# KiCad board Monorail_Diesel_Reduced.kicad_pcb (continued)
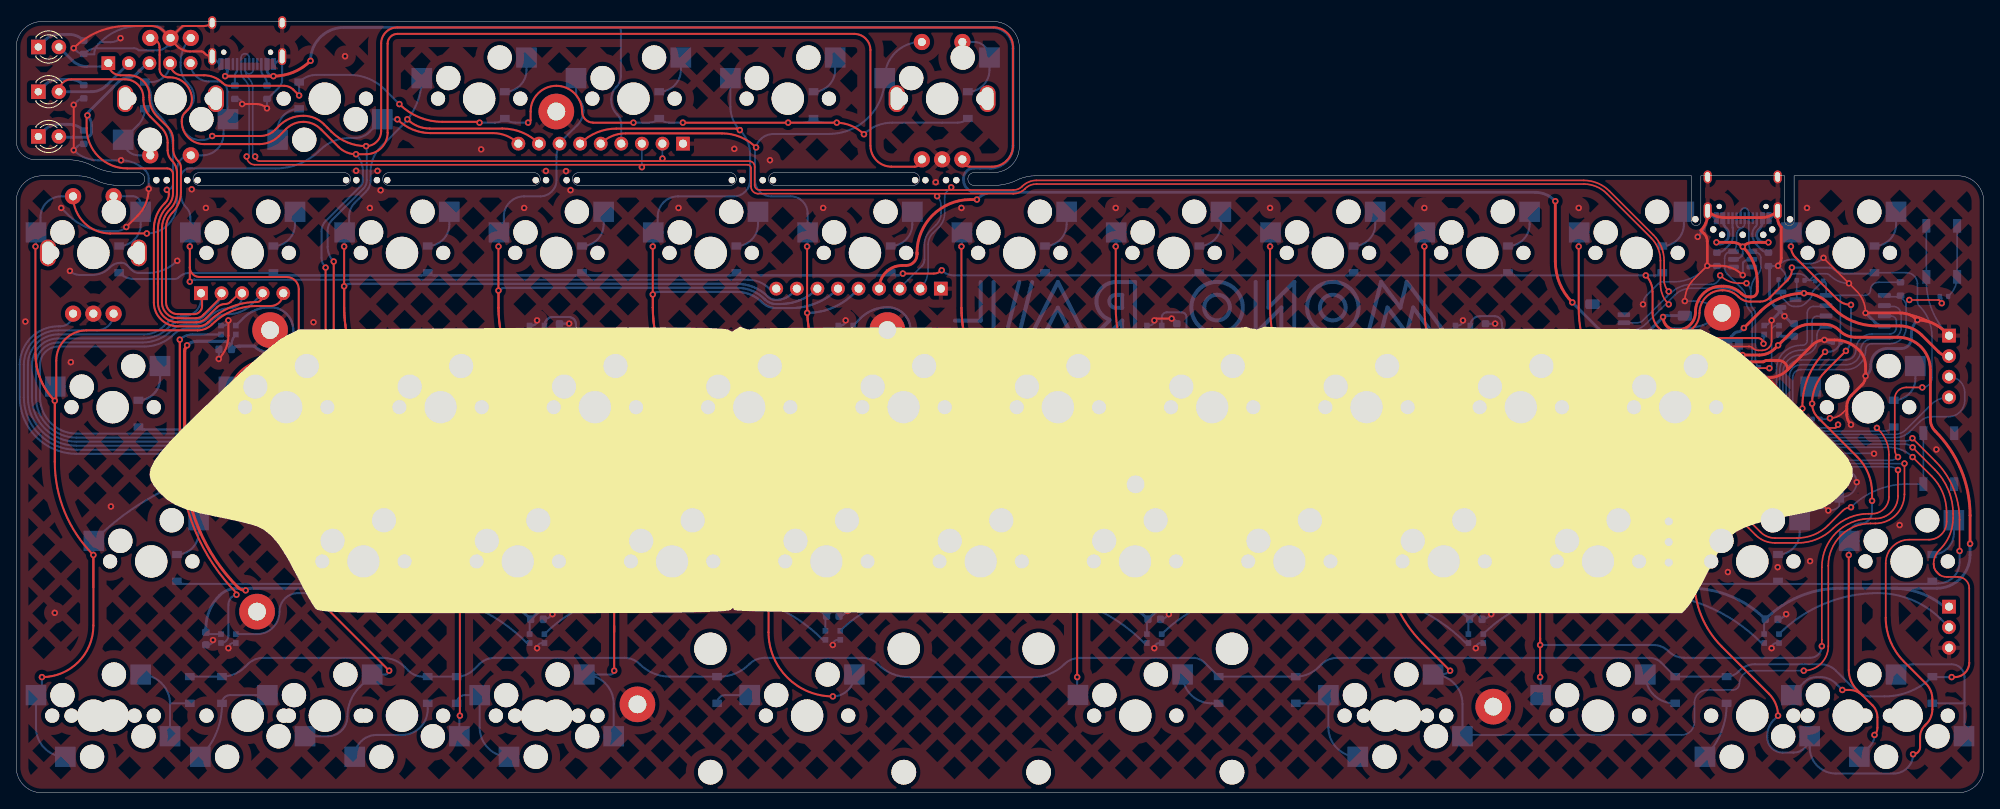
[diagram p0: board, top side]
## Routing (per net, layer and track width the routed paths; a pad name or vN(x,y) marks a point on that pad's centre or on a via; arc(x,y) is an arc through that point) (continued)
ROW1: length 391.7
  Top w0.2: v1(229.69,45.06) 229.89,44.86 arc(230.85,43.44) 231.18,41.76 231.18,36.55 arc(230.57,35.07) 229.09,34.46 228.64,34.46 arc(226.29,33.99) 224.29,32.66 arc(222.3,31.33) 219.95,30.86 217.09,30.86 arc(215.8,31.12) 214.7,31.85 213.89,32.66 arc(212.56,33.55) 211,33.86 209.51,33.86 arc(208.2,34.12) 207.09,34.86 202.44,39.52 arc(200.56,42.34) v1(199.89,45.66)
  Bottom w0.2: 192.09,46.66 194.39,48.96 arc(194.45,49.05) D28.1 ; 192.09,46.66 197.48,46.66 arc(198.79,46.4) v1(199.89,45.66) ; 192.09,46.66 191.29,45.86 ; U4.3 222.89,44.66 ; 222.89,44.66 230.52,44.66 arc(231.2,44.8) D39.1 ; 222.89,44.66 223.21,44.66
  Bottom w0.25: D35.1 arc(131.39,44.93) 130.96,44.85 113.52,44.85 arc(113.08,44.93) D34.1 arc(112.36,44.95) 111.94,44.86 94.43,44.86 arc(94.02,44.95) D33.1 arc(93.31,44.95) 92.89,44.86 75.38,44.86 arc(74.97,44.95) D32.1 arc(74.26,44.95) 73.84,44.86 56.33,44.86 arc(55.92,44.95) D31.1 arc(55.21,44.95) 54.79,44.86 37.28,44.86 arc(36.87,44.95) D30.1 arc(36.16,44.95) 35.74,44.86 15.85,44.86 arc(15.43,44.95) D29.1 ; 131.78,45.18 arc(131.41,44.93) 130.97,44.85 ; 132.12,44.86 arc(132.38,44.91) 132.6,45.06 arc(134.93,46.62) 137.67,47.16 ; 191.29,45.86 arc(190.54,45.36) 189.65,45.18 D38.1 arc(188.54,44.93) 188.11,44.85 170.67,44.85 arc(170.23,44.93) D37.1 arc(169.49,44.93) 169.06,44.85 151.62,44.85 arc(151.18,44.93) D36.1 arc(150.46,44.95) 150.04,44.86 144.48,44.86 arc(144.22,44.91) 143.99,45.06 arc(141.67,46.62) 138.92,47.16 137.66,47.16 arc(134.92,46.62) 132.59,45.06 arc(132.37,44.91) 132.11,44.86 ; 15.09,45.18 arc(15.44,44.95) 15.86,44.86 35.75,44.86 arc(36.17,44.95) 36.52,45.18 arc(36.88,44.95) 37.29,44.86 54.8,44.86 arc(55.22,44.95) 55.57,45.18 arc(55.93,44.95) 56.34,44.86 73.85,44.86 arc(74.27,44.95) 74.62,45.18 arc(74.98,44.95) 75.39,44.86 92.9,44.86 arc(93.32,44.95) 93.67,45.18 arc(94.03,44.95) 94.44,44.86 111.95,44.86 arc(112.37,44.95) 112.72,45.18 arc(113.09,44.93) 113.53,44.85 130.97,44.85 arc(131.4,44.93) 131.77,45.18 ; 132.13,44.86 arc(132.39,44.91) 132.61,45.06 arc(134.94,46.62) 137.68,47.16 138.94,47.16 arc(141.68,46.62) 144.01,45.06 arc(144.23,44.91) 144.49,44.86
ROW2: length 255
  Top w0.2: v1(239.89,29.86) 239.89,33.74 arc(239.12,37.65) 236.9,40.96 v1(234.08,43.79)
  Bottom w0.2: U4.6 233.3,43.46 arc(233.72,43.55) v1(234.08,43.79)
  Bottom w0.25: v1(239.89,29.86) 239.89,28.46 arc(239.13,26.62) 237.29,25.86 236.81,25.86 arc(236.62,25.94) D51.1 arc(236.17,25.88) 235.73,25.8 218.29,25.8 arc(217.86,25.88) D50.1 arc(217.12,25.88) 216.68,25.8 199.24,25.8 arc(198.81,25.88) D49.1 arc(198.07,25.88) 197.63,25.8 180.19,25.8 arc(179.76,25.88) D48.1 arc(179.02,25.88) 178.58,25.8 161.14,25.8 arc(160.71,25.88) D47.1 arc(159.97,25.88) 159.53,25.8 142.09,25.8 arc(141.66,25.88) D46.1 arc(140.92,25.88) 140.48,25.8 123.04,25.8 arc(122.61,25.88) D45.1 arc(121.87,25.88) 121.43,25.8 103.99,25.8 arc(103.56,25.88) D44.1 arc(102.82,25.88) 102.38,25.8 84.94,25.8 arc(84.51,25.88) D43.1 arc(83.77,25.88) 83.33,25.8 65.89,25.8 arc(65.46,25.88) D42.1 arc(64.72,25.88) 64.28,25.8 46.84,25.8 arc(46.41,25.88) D41.1 arc(45.67,25.88) 45.23,25.8 20.65,25.8 arc(20.21,25.88) D40.1
ROW3: length 278.3
  Top w0.2: v1(234.09,42.66) 236.83,39.93 arc(238.51,37.42) 239.09,34.46 239.09,33.93 arc(238.68,31.83) 237.49,30.06 237.4,29.97 arc(236.88,29.19) 236.69,28.26 ; 241.09,16.08 241.09,25.26 arc(240.68,26.25) 239.69,26.66 238.29,26.66 arc(237.16,27.13) 236.69,28.26 ; 237.49,26.86 237.12,27.24 arc(236.8,27.71) 236.69,28.26
  Top w0.25: v1(238.92,14.29) 239.3,14.29 arc(240.57,14.81) 241.09,16.08
  Bottom w0.2: U4.7 233.13,43.06 arc(233.65,42.96) v1(234.09,42.66)
  Bottom w0.25: v1(238.92,14.29) 236.69,14.29 arc(236.61,14.3) D67.1 arc(233.83,12.54) 230.64,11.91 228.93,11.91 arc(227.89,12.11) 227.01,12.7 224.63,15.08 arc(223.75,15.67) 222.71,15.87 214.64,15.87 arc(213.6,15.67) 212.72,15.08 212.6,14.96 arc(211.93,14.51) D66.1 ; 211.42,14.35 D66.1 ; D66.1 D65.1 203.07,16.06 arc(202.4,16.51) 201.61,16.67 163.05,16.67 arc(162.01,16.46) 161.13,15.87 160.77,15.52 arc(159.48,14.65) D64.1 D63.1 146.72,16.06 arc(146.05,16.51) 145.26,16.67 131.3,16.67 arc(130.26,16.46) 129.38,15.87 arc(127.62,14.7) 125.55,14.29 110.2,14.29 arc(108.12,14.7) 106.36,15.87 arc(105.48,16.46) 104.45,16.67 92.4,16.67 arc(91.37,16.46) 90.49,15.87 arc(88.8,14.75) 86.81,14.35 D62.1 80.68,14.35 arc(78.68,14.75) 76.99,15.87 arc(76.11,16.46) 75.08,16.67 59.07,16.67 arc(58.03,16.46) 57.15,15.87 56.51,15.24 arc(55.53,14.58) D61.1 D60.1 50.18,14.35 arc(49.23,14.54) 48.42,15.08 47.95,15.55 arc(46.71,16.38) 45.24,16.67 30.49,16.67 arc(29.45,16.46) 28.58,15.87 28.22,15.52 arc(26.92,14.65) D59.1 D58.1
ROW4: length 422.7
  Top w0.25: v1(34.93,86.12) 34.19,86.85 arc(33.68,87.19) 33.08,87.31 26.32,87.31 arc(25.87,87.4) 25.48,87.66 arc(24.43,88.36) 23.18,88.61 20.49,88.61 arc(19.43,89.05) J1.4 ; v1(82.29,82.76) v1(95.29,82.76) 101.18,82.76 arc(103.06,82.39) v1(104.65,81.32) ; 30.43,61.7 30.43,61.34 arc(30.21,60.83) 29.69,60.61 arc(26.46,59.97) 23.72,58.14 23.69,58.11 arc(23.14,57.74) 22.49,57.61 19.94,57.61 arc(17.86,58.48) 16.99,60.56 16.99,69.62 arc(17.33,71.32) 18.29,72.76 18.39,72.86 arc(18.73,73.36) 18.84,73.96 arc(18.8,74.19) 18.66,74.39 v1(18.59,74.46) ; v1(76.19,82.76) 71.22,82.76 arc(70.25,83.17) 69.85,84.14 arc(68.92,86.38) 66.68,87.31 arc(64.43,86.38) 63.5,84.14 63.5,83.07 arc(63.41,82.85) v1(63.19,82.76) ; v1(57.19,82.76) arc(57.08,82.84) 56.95,82.86 52.59,82.86 arc(49.73,83.43) v1(47.3,85.05)
  Bottom w0.2: 205.94,44.36 207.45,44.36 arc(207.58,44.39) 207.69,44.46 arc(207.92,44.61) 208.18,44.66 U4.40
  Bottom w0.25: 30.43,61.7 29,60.28 arc(27.71,59.41) 26.19,59.11 arc(25.04,58.88) 24.06,58.23 23.94,58.11 arc(23.11,57.56) 22.13,57.36 21.25,57.36 arc(20.27,57.17) 19.44,56.61 arc(17.78,55.5) 15.82,55.11 5.19,55.11 arc(3.6,54.45) 2.94,52.86 2.94,48.86 arc(4.26,45.68) 7.44,44.36 132.18,44.36 arc(132.52,44.43) 132.81,44.62 arc(135.07,46.13) 137.74,46.66 ; v1(57.19,82.76) 59.07,82.76 arc(59.75,82.9) D6.1 arc(60.9,82.9) 61.58,82.76 v1(63.19,82.76) ; v1(76.19,82.76) 78.12,82.76 arc(78.8,82.9) D7.1 arc(79.95,82.9) 80.63,82.76 v1(82.29,82.76) ; v1(101.29,82.76) 99.68,82.76 arc(99,82.9) D8.1 arc(97.85,82.9) 97.17,82.76 v1(95.29,82.76) ; 205.94,44.36 144.29,44.36 arc(144.03,44.41) 143.81,44.56 arc(141.48,46.12) 138.74,46.66 137.74,46.66 arc(135.08,46.13) 132.81,44.62 arc(132.53,44.43) 132.19,44.36 ; v1(47.3,85.05) 45.49,86.86 arc(43.5,88.19) 41.15,88.66 37.08,88.66 arc(35.91,88.43) D5.1 v1(34.93,86.12) ; v1(104.65,81.32) arc(106.24,82.39) 108.12,82.76 116.22,82.76 arc(116.9,82.9) D9.1 ; v1(18.59,74.46) arc(19.13,74.68) 19.35,75.22 19.35,79.61 arc(18.92,81.77) 17.69,83.61 17.55,83.76 arc(16.88,84.75) 16.65,85.92 arc(16.45,86.92) 15.89,87.76 D4.1 16.65,87.77 arc(18.3,88.46) J1.4
RUN: length 39.4
  Top w0.2: v1(226.49,35.26) arc(225.94,35.15) 225.47,34.84 223.69,33.06 arc(221.92,31.88) 219.83,31.46 217.1,31.46 arc(216.14,31.65) 215.33,32.2 212.5,35.02 arc(212.19,35.23) v1(211.83,35.3)
  Bottom w0.2: U4.26 214.89,38.9 arc(214.84,38.64) 214.7,38.42 214.55,38.27 arc(213.83,37.79) R12.2 212.98,36.45 arc(212.65,35.64) v1(211.83,35.3) ; 235.43,44.42 SWR2.2 233.4,38.12 arc(229.66,37.38) v1(226.49,35.26)
SCL: length 26.8
  Bottom w0.2: 233.55,44.4 233.77,44.62 ; 233.77,44.62 234.98,45.82 arc(235.67,46.29) 236.49,46.45 238.52,46.45 arc(239.94,47.04) 240.53,48.46 240.53,49.44 arc(239.97,50.81) J8.3 ; 233.77,44.62 arc(232.93,44.06) 231.94,43.86 U4.5
SDA: length 20.1
  Bottom w0.2: U4.4 231.85,44.26 arc(232.63,44.42) 233.29,44.86 236.34,47.91 arc(237.37,48.6) J8.4
SWCLK: length 19.6
  Bottom w0.2: U4.24 215.69,38.67 arc(215.6,38.22) 215.35,37.83 214.41,36.89 arc(213.98,36.25) 213.83,35.5 arc(213.32,34.25) 212.07,33.74 206.65,33.74 arc(205.74,33.36) 205.37,32.46 205.37,29.81 arc(204.97,28.83) SWD1.1
SWDIO: length 15
  Bottom w0.2: U4.25 215.29,38.86 arc(215.21,38.46) 214.98,38.11 213.9,37.03 arc(213.55,36.51) 213.43,35.9 arc(212.95,34.74) 211.79,34.26 204.75,34.26 arc(204.21,34.04) SWD1.3
XIN: length 9.3
  Bottom w0.2: U4.20 217.29,38.99 arc(217.5,38.49) 218.01,38.28 221.55,38.28 arc(221.65,38.23) C19.1
  Bottom w0.25: C19.1 arc(222.24,37.76) 222.89,37.63 223.68,37.63 arc(224.15,37.73) 224.54,37.99 224.88,38.33 arc(225,38.51) Y1.3
XOUT: length 4.9
  Bottom w0.2: 216.89,38.63 U4.21 216.89,38.94 arc(217.22,38.15) 218.01,37.82 219.32,37.82 arc(219.58,37.72) R13.2
Net-(C6-Pad2): length 3
  Bottom w0.25: 220.71,37.63 220.9,37.44 arc(221.27,37.19) C22.2 221.95,37.11 arc(222.7,36.96) Y1.1
Net-(D1-Pad2): length 9.2
  Bottom w0.25: SW2.S2 15.13,78.72 arc(13.77,79.29) MX6.2 15.05,82.49 arc(15.66,83.4) D4.2
Net-(D2-Pad2): length 5.3
  Bottom w0.25: MX5.2 32.26,81.8 arc(33.04,83.69) D5.2
Net-(D3-Pad2): length 5.7
  Bottom w0.25: MX4.2 62.99,89.25 arc(62.21,87.36) D6.2
Net-(D4-Pad2): length 5.7
  Bottom w0.25: MX3.2 82.04,89.25 arc(81.26,87.36) D7.2
Net-(D5-Pad2): length 5.7
  Bottom w0.25: MX2.2 101.09,89.25 arc(100.31,87.36) D8.2
Net-(D6-Pad2): length 10.2
  Bottom w0.25: SW1.S1 118.22,92.72 arc(119.58,92.16) MX1.2 120.14,89.25 arc(119.36,87.36) D9.2
Net-(D7-Pad2): length 10.6
  Bottom w0.25: SW3.S2 14.38,73.67 arc(15.08,73.39) 15.37,72.69 15.37,70.2 arc(14.59,68.31) D10.2
Net-(D8-Pad2): length 5.7
  Bottom w0.25: 34.42,71.75 34.42,70.2 arc(33.64,68.31) D11.2
Net-(D9-Pad2): length 5.7
  Bottom w0.25: 53.47,71.75 53.47,70.2 arc(52.69,68.31) D12.2
Net-(D10-Pad2): length 5.7
  Bottom w0.25: 72.52,71.75 72.52,70.2 arc(71.74,68.31) D13.2
Net-(D11-Pad2): length 5.7
  Bottom w0.25: 91.57,71.75 91.57,70.2 arc(90.79,68.31) D14.2
Net-(D12-Pad2): length 5.7
  Bottom w0.25: 110.62,71.75 110.62,70.2 arc(109.84,68.31) D15.2
Net-(D13-Pad2): length 5.7
  Bottom w0.25: 129.67,71.75 129.67,70.2 arc(128.89,68.31) D16.2
Net-(D14-Pad2): length 5.7
  Bottom w0.25: 148.72,71.75 148.72,70.2 arc(147.94,68.31) D17.2
Net-(D15-Pad2): length 5.7
  Bottom w0.25: 167.77,71.75 167.77,70.2 arc(166.99,68.31) D18.2
Net-(D16-Pad2): length 5.7
  Bottom w0.25: 186.82,71.75 186.82,70.2 arc(186.04,68.31) D19.2
Net-(D17-Pad2): length 5.7
  Bottom w0.25: 205.87,71.75 205.87,70.2 arc(205.09,68.31) D20.2
Net-(D18-Pad2): length 5.7
  Bottom w0.25: 232.06,71.75 232.06,70.2 arc(231.28,68.31) D21.2
Net-(D19-Pad2): length 11.5
  Bottom w0.25: MX30.2 17.75,51.15 arc(16.97,49.26) D29.2 ; 17.76,52.7 17.76,51.15 arc(16.98,49.26) 15.09,48.48
Net-(D20-Pad2): length 11.5
  Bottom w0.25: 39.19,52.7 39.19,51.15 arc(38.41,49.26) 36.52,48.48 ; MX29.2 39.18,51.15 arc(38.4,49.26) D30.2
Net-(D21-Pad2): length 11.5
  Bottom w0.25: MX28.2 58.23,51.15 arc(57.45,49.26) D31.2 ; 58.24,52.7 58.24,51.15 arc(57.46,49.26) 55.57,48.48
Net-(D22-Pad2): length 11.5
  Bottom w0.25: 77.29,52.7 77.29,51.15 arc(76.51,49.26) 74.62,48.48 ; MX27.2 77.28,51.15 arc(76.5,49.26) D32.2
Net-(D23-Pad2): length 11.5
  Bottom w0.25: 96.34,52.7 96.34,51.15 arc(95.56,49.26) 93.67,48.48 ; MX26.2 96.33,51.15 arc(95.55,49.26) D33.2
Net-(D24-Pad2): length 11.5
  Bottom w0.25: MX25.2 115.38,51.15 arc(114.6,49.26) D34.2 ; 115.39,52.7 115.39,51.15 arc(114.61,49.26) 112.72,48.48
Net-(D25-Pad2): length 11.5
  Bottom w0.25: MX24.2 134.43,51.15 arc(133.65,49.26) D35.2 ; 134.44,52.7 134.44,51.15 arc(133.66,49.26) 131.77,48.48
Net-(D26-Pad2): length 5.7
  Bottom w0.25: MX19.2 153.48,51.15 arc(152.7,49.26) D36.2
Net-(D27-Pad2): length 5.7
  Bottom w0.25: MX23.2 172.53,51.15 arc(171.75,49.26) D37.2
Net-(D28-Pad2): length 5.7
  Bottom w0.25: MX22.2 191.58,51.15 arc(190.8,49.26) D38.2
Net-(D29-Pad2): length 19.1
  Bottom w0.25: D28.2 200.62,52.45 arc(201.42,52.61) 202.09,53.06 202.7,53.67 arc(203.8,54.41) 205.09,54.66 208.67,54.66 arc(210.06,54.09) MX21.2 arc(210.52,53.28) 210.19,53.77
Net-(D30-Pad2): length 5.7
  Bottom w0.25: MX20.2 234.44,51.15 arc(233.66,49.26) D39.2
Net-(D31-Pad2): length 7.3
  Bottom w0.25: MX42.2 22.51,32.1 arc(21.73,30.21) D40.2 ; 22.52,32.1 22.52,33.65
Net-(D32-Pad2): length 7.3
  Bottom w0.25: MX41.2 48.7,32.1 arc(47.92,30.21) D41.2 ; 48.71,32.1 48.71,33.65
Net-(D33-Pad2): length 7.3
  Bottom w0.25: 67.76,32.1 67.76,33.65 ; MX40.2 67.75,32.1 arc(66.97,30.21) D42.2
Net-(D34-Pad2): length 7.3
  Bottom w0.25: 86.81,32.1 86.81,33.65 ; MX39.2 86.8,32.1 arc(86.02,30.21) D43.2
Net-(D35-Pad2): length 7.3
  Bottom w0.25: 105.86,32.1 105.86,33.65 ; MX38.2 105.85,32.1 arc(105.07,30.21) D44.2
Net-(D36-Pad2): length 7.3
  Bottom w0.25: MX37.2 124.9,32.1 arc(124.12,30.21) D45.2 ; 124.91,32.1 124.91,33.65
Net-(D37-Pad2): length 5.7
  Bottom w0.25: MX36.2 143.95,32.1 arc(143.17,30.21) D46.2
Net-(D38-Pad2): length 5.7
  Bottom w0.25: MX35.2 163,32.1 arc(162.22,30.21) D47.2
Net-(D39-Pad2): length 5.7
  Bottom w0.25: MX34.2 182.05,32.1 arc(181.27,30.21) D48.2
Net-(D40-Pad2): length 5.7
  Bottom w0.25: MX33.2 201.1,32.1 arc(200.32,30.21) D49.2
Net-(D41-Pad2): length 5.7
  Bottom w0.25: MX32.2 220.15,32.1 arc(219.37,30.21) D50.2
Net-(D42-Pad2): length 5.7
  Bottom w0.25: MX31.2 239.2,32.1 arc(238.42,30.21) D51.2
Net-(D43-Pad2): length 12.2
  Bottom w0.25: D58.2 19.06,11.05 arc(19.01,11.03) 18.99,10.98 ; 18.99,10.98 MX56.1 ; 18.99,10.98 arc(17.93,13.54) MX57.2
Net-(D44-Pad2): length 13.5
  Bottom w0.25: MX54.1 26.41,12.06 arc(25.7,11.77) D59.2 25.4,10.88 arc(24.71,7.4) MX55.2
Net-(D45-Pad2): length 13.1
  Bottom w0.25: D60.2 50.8,10.32 arc(49.87,8.07) 47.63,7.14 44.48,7.14 arc(42.57,6.35) MX53.2
Net-(D47-Pad2): length 4.6
  Bottom w0.25: MX50.1 87.54,12.07 arc(86.82,11.77) D62.2
Net-(D48-Pad2): length 6.5
  Bottom w0.25: D63.2 147.55,11.05 arc(145.03,12.09) MX49.2
Net-(D49-Pad2): length 14.3
  Bottom w0.25: D64.2 160.97,11.05 arc(161.69,11.35) MX48.1 161.98,8.07 arc(163.05,5.51) MX47.2
Net-(D50-Pad2): length 5.7
  Bottom w0.25: D65.2 204.66,11.05 arc(202.15,12.09) MX46.2
Net-(D51-Pad2): length 7.3
  Bottom w0.25: D66.2 211.14,10.88 arc(210.44,7.4) MX45.2
Net-(D52-Pad2): length 21.1
  Bottom w0.25: 240.51,11.11 240.51,7.04 arc(240.49,7) MX43.1 ; 240.51,11.11 240.51,14.29 arc(240.04,15.41) 238.92,15.87 234.16,15.87 arc(233.39,15.72) 232.75,15.29 MX44.2 ; 240.51,11.11 arc(240.49,11.07) 240.44,11.05 D67.2
Net-(D53-Pad1): length 6.4
  Bottom w0.35: D1.1 3.67,93.04 arc(4.35,93.5) 5.16,93.66 6.49,93.66 arc(7.49,93.46) R1.1
Net-(D54-Pad1): length 6.3
  Bottom w0.35: D2.1 3.61,87.47 arc(4.32,87.94) 5.16,88.11 6.65,88.11 arc(7.56,87.92) R2.1
Net-(D55-Pad1): length 6.3
  Bottom w0.35: D3.1 3.56,81.89 arc(4.29,82.38) 5.16,82.55 6.49,82.55 arc(7.49,82.35) R5.1
Net-(D56-Pad2): length 40.9
  Bottom w0.25: D56.4 179.03,18.5 arc(178.95,18.52) 178.88,18.56 arc(172.12,23.08) 164.15,24.66 153.63,24.66 arc(147.02,23.35) D55.2
Net-(D56-Pad4): length 40.8
  Bottom w0.25: D55.4 139.34,18.5 arc(139.26,18.52) 139.19,18.56 arc(132.44,23.08) 124.47,24.66 112.99,24.66 arc(106.89,23.45) D52.2
Net-(D57-Pad2): length 37.7
  Bottom w0.25: D57.4 215.54,18.5 arc(215.46,18.52) 215.39,18.56 arc(208.64,23.08) 200.67,24.66 193.32,24.66 arc(186.7,23.35) D56.2
Net-(D59-Pad2): length 41
  Top w0.25: v1(215.69,55.46) arc(215.49,55.96) 214.99,56.16 195.5,56.16 arc(194.85,56.29) v1(194.29,56.66)
  Bottom w0.2: v1(215.69,55.46) 215.69,56.51 arc(215.72,56.58) D27.2
  Bottom w0.25: 215.78,56.22 D27.2 ; v1(194.29,56.66) arc(193.3,56) 192.12,55.76 185.59,55.76 arc(184.04,56.41) 183.39,57.96 arc(183.13,58.6) 182.49,58.86 180.67,58.86 arc(179.85,58.52) D26.4
Net-(D60-Pad2): length 40.6
  Bottom w0.25: D26.2 177.3,56.22 arc(176.79,55.88) 176.19,55.76 145.85,55.76 arc(144.87,56.17) 144.46,57.15 144.46,58.74 arc(144.29,59.16) 143.86,59.34 142.04,59.34 arc(141.6,59.15) 141.41,58.7 D25.4
Net-(D61-Pad2): length 51.5
  Bottom w0.25: D24.4 104.21,58.6 arc(105.72,59.61) 107.49,59.96 107.59,59.96 arc(109.57,59.14) 110.39,57.16 arc(110.8,56.17) 111.79,55.76 138.74,55.76 arc(139.33,56.01) D25.2 ; 103.32,57.7 104.22,58.6 arc(105.73,59.61) 107.5,59.96 107.6,59.96 arc(109.58,59.14) 110.4,57.16 arc(110.81,56.17) 111.8,55.76
Net-(D62-Pad2): length 78.2
  Bottom w0.25: 101.49,56.6 100.66,56.6 arc(100.09,56.49) 99.6,56.16 arc(99.16,55.87) 98.64,55.76 70.5,55.76 arc(69.51,56.17) 69.1,57.16 69.1,57.86 arc(68.84,58.5) 68.2,58.76 66.28,58.76 arc(65.53,58.45) 65.22,57.7 ; D24.2 100.65,56.6 arc(100.08,56.49) 99.59,56.16 arc(99.15,55.87) 98.63,55.76 70.49,55.76 arc(69.5,56.17) 69.09,57.16 69.09,57.86 arc(68.83,58.5) 68.19,58.76 66.27,58.76 arc(65.52,58.45) D23.4
Net-(D63-Pad2): length 79.8
  Bottom w0.25: 27.12,57.7 28.02,58.6 arc(29.53,59.61) 31.3,59.96 31.4,59.96 arc(33.38,59.14) 34.2,57.16 arc(34.61,56.17) 35.6,55.76 62.55,55.76 arc(63.14,56.01) 63.39,56.6 ; D22.4 28.01,58.6 arc(29.52,59.61) 31.29,59.96 31.39,59.96 arc(33.37,59.14) 34.19,57.16 arc(34.6,56.17) 35.59,55.76 62.54,55.76 arc(63.13,56.01) D23.2
Net-(D64-Pad4): length 37.6
  Bottom w0.25: D52.4 99.66,18.9 arc(99.58,18.91) 99.51,18.96 arc(93.19,23.18) 85.75,24.66 77.43,24.66 arc(70.82,23.35) D54.2
Net-(D65-Pad4): length 40.8
  Bottom w0.25: D53.2 29.73,19.6 arc(31.68,20.41) 32.49,22.36 arc(33.17,23.99) 34.79,24.66 48.27,24.66 arc(56.24,23.08) 62.99,18.56 arc(63.06,18.52) 63.14,18.5 D54.4
Net-(D66-Pad4): length 65.1
  Top w0.25: 20.2,55.96 20.2,41.84 ; v1(20.19,55.96) 20.19,41.84 arc(22.06,32.44) 27.39,24.46
  Bottom w0.25: 25.29,56.6 21.74,56.6 arc(20.91,56.43) 20.2,55.96 ; D22.2 21.73,56.6 arc(20.9,56.43) v1(20.19,55.96) ; D53.4 arc(25.93,18.77) 26.19,19.41 26.19,23.2 arc(26.3,23.72) 26.59,24.16 arc(26.93,24.38) 27.32,24.46
  vias: v1(27.19,24.46)
Net-(J1-PadA5): length 5.3
  Bottom w0.25: J6.A5 211.87,69.83 arc(211.88,69.79) 211.9,69.76 arc(211.91,69.74) 211.92,69.72 211.92,68.74 arc(211.8,68.16) 211.47,67.66 210.91,67.11 arc(210.47,66.81) R6.2
Net-(J1-PadB5): length 5.4
  Bottom w0.25: J6.B5 214.87,70.24 arc(214.84,70.08) 214.75,69.95 214.65,69.85 arc(214.4,69.48) 214.32,69.05 214.32,68.99 arc(214.46,68.26) 214.88,67.64 215.46,67.05 arc(215.85,66.8) R7.2
Net-(J2-PadA5): length 3.4
  Bottom w0.25: 27.26,90.61 27.26,89.23 arc(27.23,89.1) 27.16,88.98 arc(27.03,88.79) 26.99,88.57 R3.2 ; 27.26,89.38 arc(27.26,89.37) 27.25,89.36
Net-(J2-PadB5): length 3.2
  Bottom w0.25: 30.26,90.61 30.26,89.22 arc(30.34,88.83) 30.56,88.5 arc(30.85,88.06) 30.96,87.54
Net-(R6-Pad1): length 5.8
  Bottom w0.2: U4.46 215.29,46.88 arc(215.2,47.33) 214.95,47.7 214.37,48.29 arc(214.13,48.65) 214.04,49.08 214.04,50.87 arc(213.97,51.24) R10.1
Net-(R7-Pad1): length 5.8
  Bottom w0.2: U4.47 215.69,46.91 arc(215.58,47.5) 215.24,48 214.7,48.54 arc(214.51,48.82) 214.45,49.15 214.45,49.99 arc(214.62,50.84) R11.1
Net-(R14-Pad2): length 9
  Bottom w0.2: R9.2 238.67,61.49 arc(239.35,62.51) SWR1.2 SWR1.2

## Copper pours and planes (outline as drawn; the poured copper is in the pictures)
GND on Top: 210.99,55.76 212.39,54.76 215.59,51.96 218.89,48.76 224.99,42.66 226.09,41.36 226.69,40.16 226.79,39.06 225.99,37.66 225.19,36.76 224.09,35.76 222.99,35.06 218.39,34.06 214.49,33.16 212.49,32.26 210.89,31.06 209.79,29.06 207.89,25.36 206.39,22.96 205.69,22.16 49.19,22.16 40.69,22.26 37.59,22.46 37.09,22.56 36.89,22.76 33.89,28.16 32.59,30.36 31.49,31.66 30.49,32.46 29.79,32.86 27.59,33.46 22.89,34.46 20.89,34.96 19.59,35.56 18.59,36.16 17.69,36.96 17.09,37.66 16.59,38.56 16.39,39.26 16.49,39.96 16.99,40.96 18.19,42.56 20.09,44.66 23.99,48.46 28.39,52.56 31.39,55.16 33.29,56.46 34.89,57.26 207.99,57.26
GND on Top: 208.08,118.28 266.18,96.18 251.99,-9.04 -13.81,-9.04 -10.21,106.06
GND on Bottom: 83.03,102.3 254,107.16 252.23,-9.7 -9.47,-7.3 -2.37,104.6

## Text on the board
B.Silkscreen: + | 2023 | 5VLED | 5V GND | RST | GP2 GP3 / SDA SCL | GND RGB 5VD | Monorail Diesel / Version 2.0 | EDGE RAIL
F.Fab: MX_stab
